# KiCad board KlusterLab r2.0.kicad_pcb (continued)
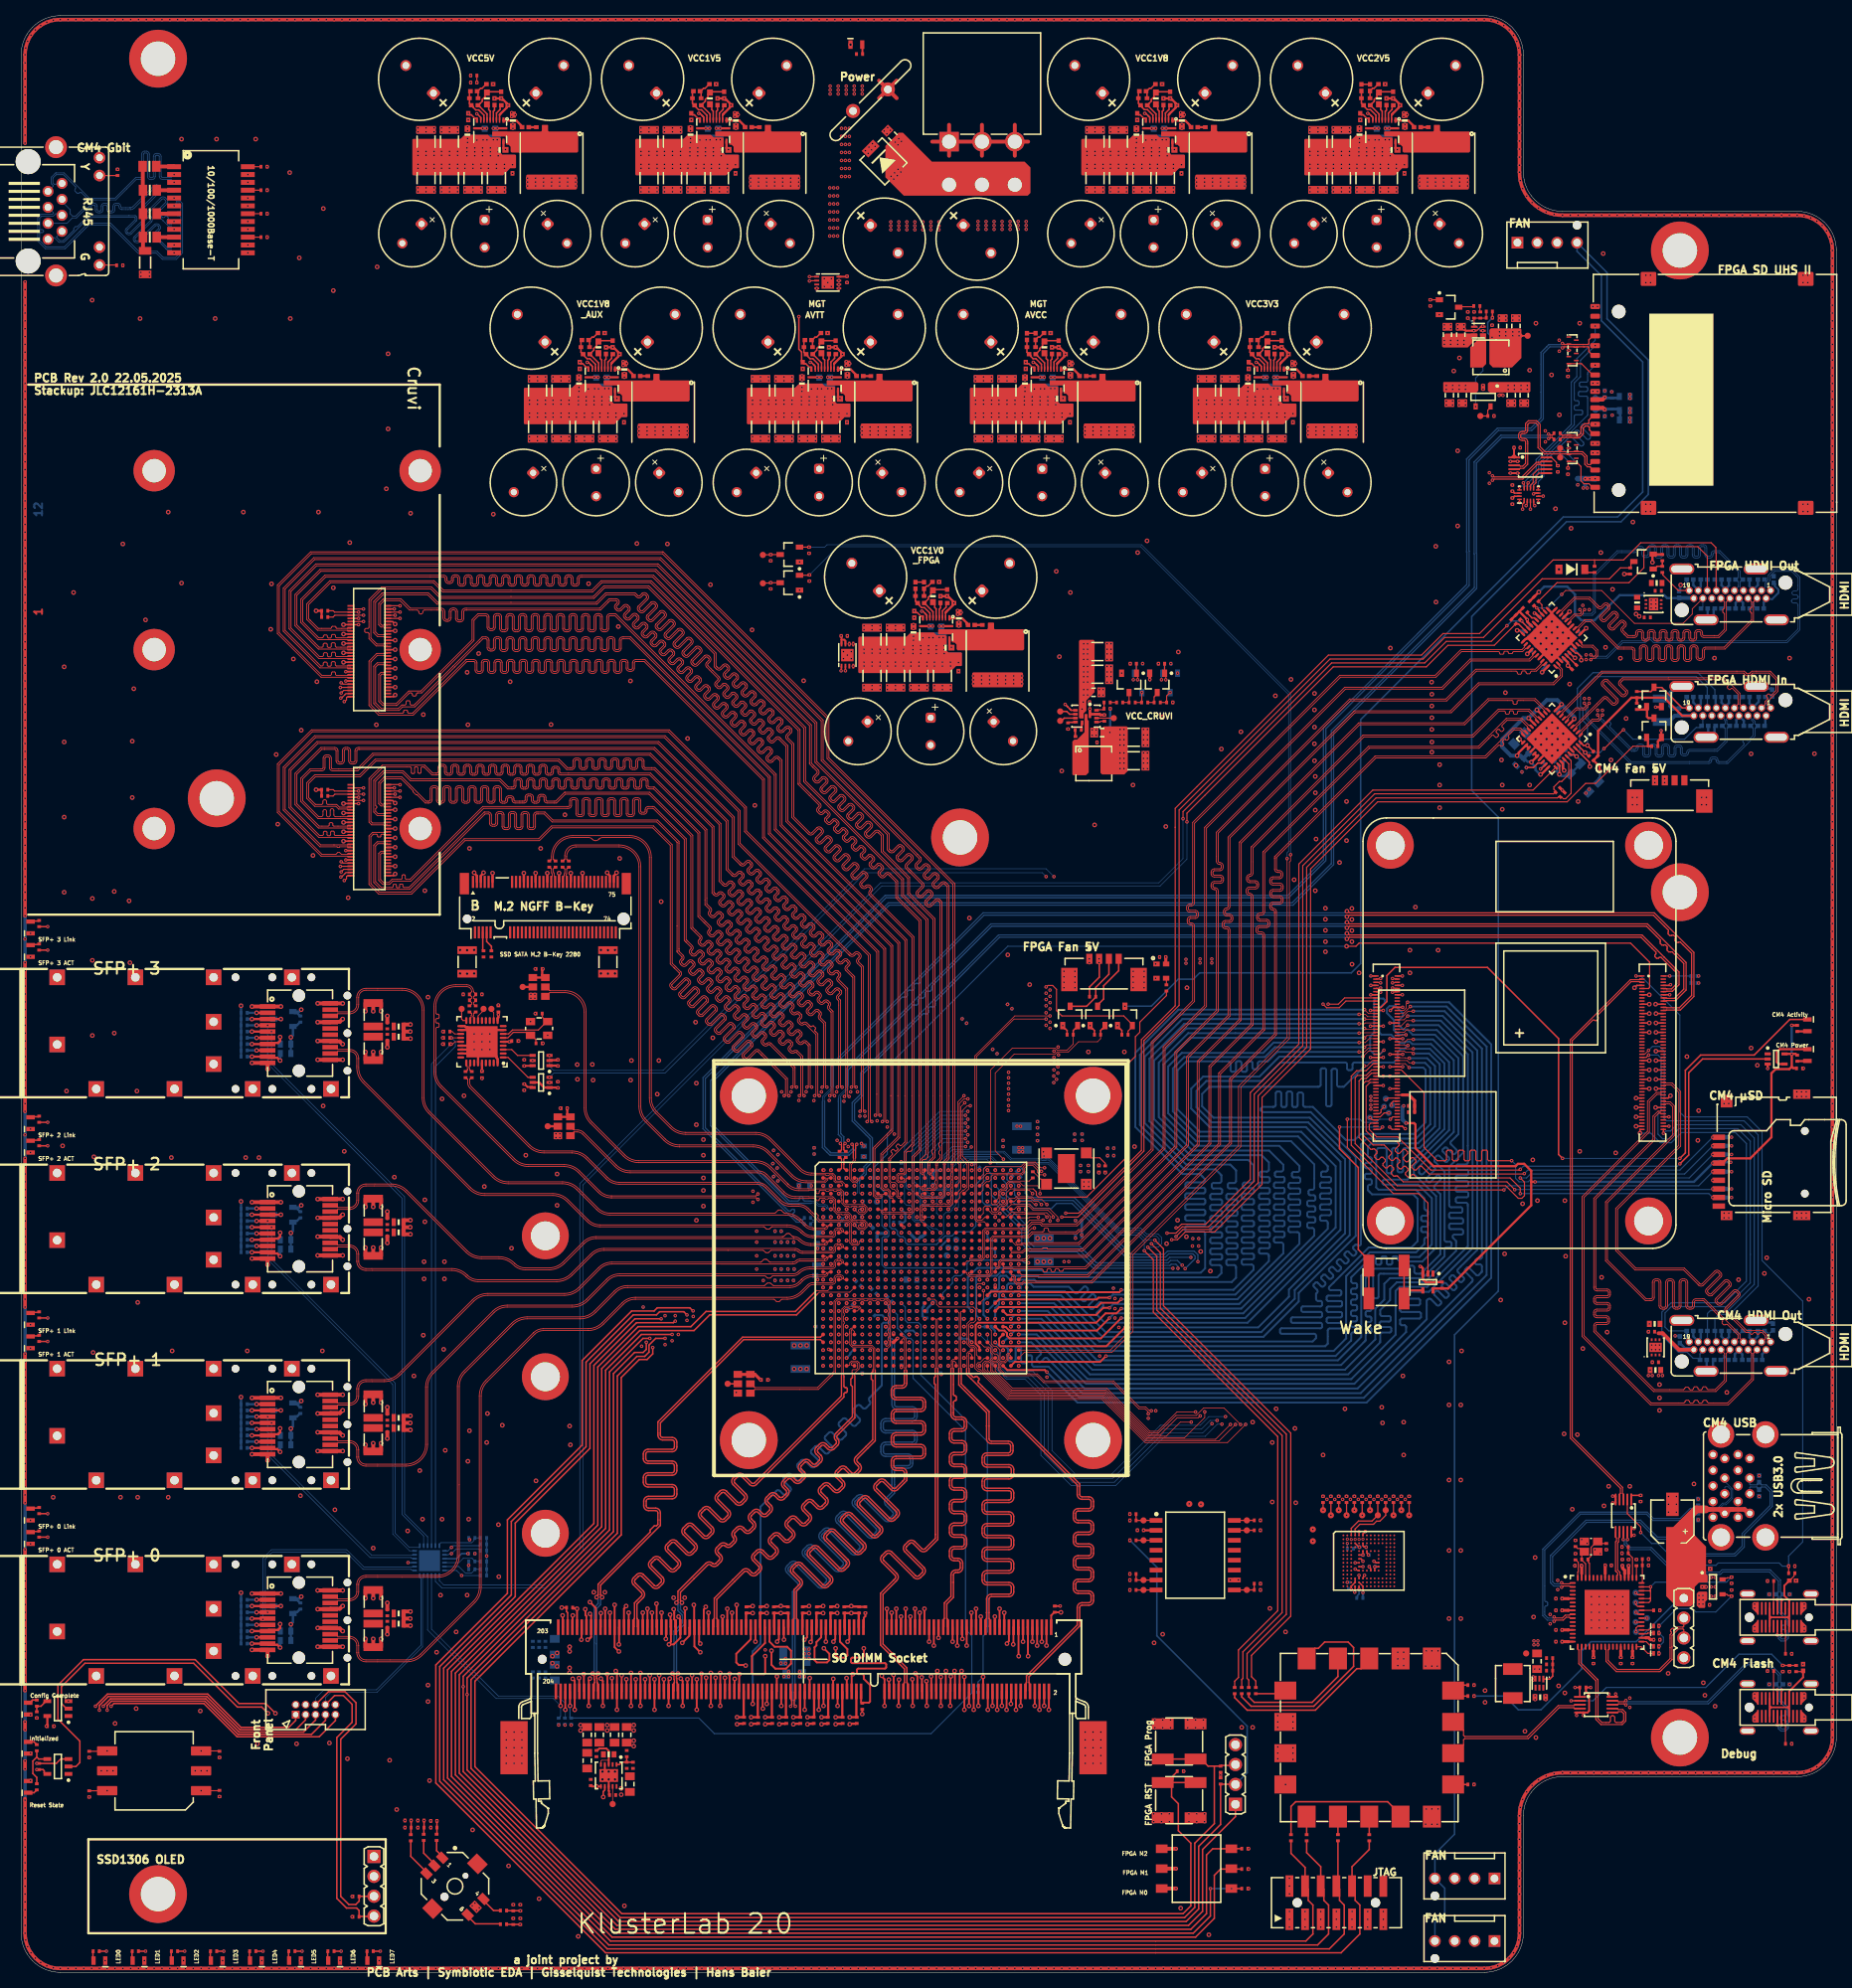
[diagram p0: board, top side]
## Footprints (pads in the part's own frame, mm; a bottom-side part is the same pattern mirrored in y, then rotated) (continued)
CAP_0402
  rect 0.5x0.6 smd: 1(0,-0.55) 2(0,0.55)
CAP_0402#2
  rect 0.5x0.6 smd: 1(0,-0.55) 2(0,0.55)
CAP_0402_L
  rect 0.38x0.48 smd: 1(-0.395,0) 2(0.395,0)
CAP_0603
  rect 0.75x0.8 smd: 1(0,-0.75) 2(0,0.75)
CAP_0603#2
  rect 0.75x0.8 smd: 1(0,-0.75) 2(0,0.75)
CAP_0603_L
  rect 0.8x0.63 smd: 1(0,-0.675) 2(0,0.675)
CAP_0805
  rect 1.25x1 smd: 1(0,-1) 2(0,1)
CAP_1206
  rect 1.6x1 smd: 1(0,-1.5) 2(0,1.5)
CAP_1210
  rect 2.5x1 smd: 1(0,-1.5) 2(0,1.5)
Ckmtw - R-RJ45R08P-C000
  round 3.2 hole 3.2 unplated: (-6.35,-2.25) (6.35,-2.25)
  round 1.4 hole 0.9: 1(3.57,0.29) 2(2.55,2.07) 3(1.53,0.29) 4(0.51,2.07) 5(-0.51,0.29) 6(-1.53,2.07) 7(-2.55,0.29) 8(-3.57,2.07)
  round 1.5 hole 0.9: 9(6.86,6.87) 10(4.57,6.87) 11(-4.57,6.87) 12(-6.86,6.87)
  round 2.8 hole 1.8: SHD(-8.2,1.31) SHD(8.2,1.31)
COILCRAFT_XAL7070
  rrect 1.92x6.5 smd: 1(-2.41,0) 2(2.41,0)
CUI DS04-254-SMT Series, 3 Pole
  rect 1.1x1.5 smd: 13(-2.54,-4.45) 14(-2.54,4.45) 23(0,-4.45) 24(0,4.45) 33(2.54,-4.45) 34(2.54,4.45)
DO221-AA
  rect 1.2x2.07 smd: 1(-2.32,0) 2(2.32,0)
ECS-TXO-20CSMV4_2X1.6X0.8
  rect 0.63x0.825 smd: 1(-0.91,-0.613) 2(0.91,-0.613) 3(0.91,0.613) 4(-0.91,0.613)
ECX-2236B
  rect 1.2x1 smd: 1(-0.85,-0.65) 2(0.85,-0.65) 3(0.85,0.65) 4(-0.85,0.65)
Elecbee EB-500-6007
  round 1.8 hole 1.8 unplated: (-6.152,-2) (7.098,1.5)
  round 0.95 hole 0.6: 1(5.198,0.5) 2(4.62,-0.5) 3(4.043,0.5) 4(3.465,-0.5) 5(2.888,0.5) 6(2.31,-0.5) 7(1.733,0.5) 8(1.155,-0.5) 9(0.578,0.5) 10(0,-0.5) 11(-0.578,0.5) 12(-1.155,-0.5) 13(-1.733,0.5) 14(-2.31,-0.5) 15(-2.888,0.5) 16(-3.465,-0.5) 17(-4.043,0.5) 18(-4.62,-0.5) 19(-5.198,0.5)
  oval 3.2x1.4 hole 2.7x0.9: MT(-6.152,3.25) MT(-3.052,-3.25) MT(3.348,3.25) MT(5.948,-3.25)
Elecbee EB-500-6007#2
  round 1.8 hole 1.8 unplated: (-6.152,-2) (7.098,1.5)
  round 0.95 hole 0.6: 1(5.198,0.5) 2(4.62,-0.5) 3(4.043,0.5) 4(3.465,-0.5) 5(2.888,0.5) 6(2.31,-0.5) 7(1.733,0.5) 8(1.155,-0.5) 9(0.578,0.5) 10(0,-0.5) 11(-0.578,0.5) 12(-1.155,-0.5) 13(-1.733,0.5) 14(-2.31,-0.5) 15(-2.888,0.5) 16(-3.465,-0.5) 17(-4.043,0.5) 18(-4.62,-0.5) 19(-5.198,0.5)
  oval 3.2x1.4 hole 2.7x0.9: MT(-6.152,3.25) MT(-3.052,-3.25) MT(3.348,3.25) MT(5.948,-3.25)
Elecbee EB-500-6007#3
  round 1.8 hole 1.8 unplated: (-6.152,-2) (7.098,1.5)
  round 0.95 hole 0.6: 1(5.198,0.5) 2(4.62,-0.5) 3(4.043,0.5) 4(3.465,-0.5) 5(2.888,0.5) 6(2.31,-0.5) 7(1.733,0.5) 8(1.155,-0.5) 9(0.578,0.5) 10(0,-0.5) 11(-0.578,0.5) 12(-1.155,-0.5) 13(-1.733,0.5) 14(-2.31,-0.5) 15(-2.888,0.5) 16(-3.465,-0.5) 17(-4.043,0.5) 18(-4.62,-0.5) 19(-5.198,0.5)
  oval 3.2x1.4 hole 2.7x0.9: MT(-6.152,3.25) MT(-3.052,-3.25) MT(3.348,3.25) MT(5.948,-3.25)
FXL0420-1R0-M
  rect 1.5x2.5 smd: 1(-1.85,0) 2(1.85,0)
FXL0420-1R0-M#2
  rect 1.5x2.5 smd: 1(-1.85,0) 2(1.85,0)
GCT_USB4200-03-A
  round 1.2 hole 1.2 unplated: (0,3.8)
  round 1 hole 1 unplated: (0,-3.8)
  rrect 1.625x0.25 smd: A1(1.138,2.725) A2(1.138,2.225) A3(1.138,1.725) A4(1.138,1.225) A5(1.138,0.725) A6(1.138,0.225) A7(1.138,-0.275) A8(1.138,-0.775) A9(1.138,-1.275) A10(1.138,-1.775) A11(1.138,-2.275) A12(1.138,-2.775) B1(-1.138,-2.775) B2(-1.138,-2.275) B3(-1.138,-1.775) B4(-1.138,-1.275) B5(-1.138,-0.775) B6(-1.138,-0.275) B7(-1.138,0.225) B8(-1.138,0.725) B9(-1.138,1.225) B10(-1.138,1.725) B11(-1.138,2.225) B12(-1.138,2.725)
  oval 1x2.05 hole 0.6x1.65: SH1(3,-4.05) SH2(3,4.05) SH3(-3,4.05) SH4(-3,-4.05)
GCT_USB4200-03-A#2
  round 1.2 hole 1.2 unplated: (0,3.8)
  round 1 hole 1 unplated: (0,-3.8)
  rrect 1.625x0.25 smd: A1(1.138,2.725) A2(1.138,2.225) A3(1.138,1.725) A4(1.138,1.225) A5(1.138,0.725) A6(1.138,0.225) A7(1.138,-0.275) A8(1.138,-0.775) A9(1.138,-1.275) A10(1.138,-1.775) A11(1.138,-2.275) A12(1.138,-2.775) B1(-1.138,-2.775) B2(-1.138,-2.275) B3(-1.138,-1.775) B4(-1.138,-1.275) B5(-1.138,-0.775) B6(-1.138,-0.275) B7(-1.138,0.225) B8(-1.138,0.725) B9(-1.138,1.225) B10(-1.138,1.725) B11(-1.138,2.225) B12(-1.138,2.725)
  oval 1x2.05 hole 0.6x1.65: SH1(3,-4.05) SH2(3,4.05) SH3(-3,4.05) SH4(-3,-4.05)
Hirose DF40HC(3.0)-100DS-0.4V_1-100
  rect 0.2x0.7 smd: 1(-9.8,-1.35) 2(-9.8,1.38) 3(-9.4,-1.35) 4(-9.4,1.38) 5(-9,-1.35) 6(-9,1.38) 7(-8.6,-1.35) 8(-8.6,1.38) 9(-8.2,-1.35) 10(-8.2,1.38) 11(-7.8,-1.35) 12(-7.8,1.38) 13(-7.4,-1.35) 14(-7.4,1.38) 15(-7,-1.35) 16(-7,1.38) 17(-6.6,-1.35) 18(-6.6,1.38) 19(-6.2,-1.35) 20(-6.2,1.38) 21(-5.8,-1.35) 22(-5.8,1.38) 23(-5.4,-1.35) 24(-5.4,1.38) 25(-5,-1.35) 26(-5,1.38) 27(-4.6,-1.35) 28(-4.6,1.38) 29(-4.2,-1.35) 30(-4.2,1.38) 31(-3.8,-1.35) 32(-3.8,1.38) 33(-3.4,-1.35) 34(-3.4,1.38) 35(-3,-1.35) 36(-3,1.38) 37(-2.6,-1.35) 38(-2.6,1.38) 39(-2.2,-1.35) 40(-2.2,1.38) 41(-1.8,-1.35) 42(-1.8,1.38) 43(-1.4,-1.35) 44(-1.4,1.38) 45(-1,-1.35) 46(-1,1.38) 47(-0.6,-1.35) 48(-0.6,1.38) 49(-0.2,-1.35) 50(-0.2,1.38) 51(0.2,-1.35) 52(0.2,1.38) 53(0.6,-1.35) 54(0.6,1.38) 55(1,-1.35) 56(1,1.38) 57(1.4,-1.35) 58(1.4,1.38) 59(1.8,-1.35) 60(1.8,1.38) 61(2.2,-1.35) 62(2.2,1.38) 63(2.6,-1.35) 64(2.6,1.38) 65(3,-1.35) 66(3,1.38) 67(3.4,-1.35) 68(3.4,1.38) 69(3.8,-1.35) 70(3.8,1.38) 71(4.2,-1.35) 72(4.2,1.38) 73(4.6,-1.35) 74(4.6,1.38) 75(5,-1.35) 76(5,1.38) 77(5.4,-1.35) 78(5.4,1.38) 79(5.8,-1.35) 80(5.8,1.38) 81(6.2,-1.35) 82(6.2,1.38) 83(6.6,-1.35) 84(6.6,1.38) 85(7,-1.35) 86(7,1.38) 87(7.4,-1.35) 88(7.4,1.38) 89(7.8,-1.35) 90(7.8,1.38) 91(8.2,-1.35) 92(8.2,1.38) 93(8.6,-1.35) 94(8.6,1.38) 95(9,-1.35) 96(9,1.38) 97(9.4,-1.35) 98(9.4,1.38) 99(9.8,-1.35) 100(9.8,1.38)
Hirose DF40HC(3.0)-100DS-0.4V_101-200
  rect 0.2x0.7 smd: 101(-9.8,-1.35) 102(-9.8,1.38) 103(-9.4,-1.35) 104(-9.4,1.38) 105(-9,-1.35) 106(-9,1.38) 107(-8.6,-1.35) 108(-8.6,1.38) 109(-8.2,-1.35) 110(-8.2,1.38) 111(-7.8,-1.35) 112(-7.8,1.38) 113(-7.4,-1.35) 114(-7.4,1.38) 115(-7,-1.35) 116(-7,1.38) 117(-6.6,-1.35) 118(-6.6,1.38) 119(-6.2,-1.35) 120(-6.2,1.38) 121(-5.8,-1.35) 122(-5.8,1.38) 123(-5.4,-1.35) 124(-5.4,1.38) 125(-5,-1.35) 126(-5,1.38) 127(-4.6,-1.35) 128(-4.6,1.38) 129(-4.2,-1.35) 130(-4.2,1.38) 131(-3.8,-1.35) 132(-3.8,1.38) 133(-3.4,-1.35) 134(-3.4,1.38) 135(-3,-1.35) 136(-3,1.38) 137(-2.6,-1.35) 138(-2.6,1.38) 139(-2.2,-1.35) 140(-2.2,1.38) 141(-1.8,-1.35) 142(-1.8,1.38) 143(-1.4,-1.35) 144(-1.4,1.38) 145(-1,-1.35) 146(-1,1.38) 147(-0.6,-1.35) 148(-0.6,1.38) 149(-0.2,-1.35) 150(-0.2,1.38) 151(0.2,-1.35) 152(0.2,1.38) 153(0.6,-1.35) 154(0.6,1.38) 155(1,-1.35) 156(1,1.38) 157(1.4,-1.35) 158(1.4,1.38) 159(1.8,-1.35) 160(1.8,1.38) 161(2.2,-1.35) 162(2.2,1.38) 163(2.6,-1.35) 164(2.6,1.38) 165(3,-1.35) 166(3,1.38) 167(3.4,-1.35) 168(3.4,1.38) 169(3.8,-1.35) 170(3.8,1.38) 171(4.2,-1.35) 172(4.2,1.38) 173(4.6,-1.35) 174(4.6,1.38) 175(5,-1.35) 176(5,1.38) 177(5.4,-1.35) 178(5.4,1.38) 179(5.8,-1.35) 180(5.8,1.38) 181(6.2,-1.35) 182(6.2,1.38) 183(6.6,-1.35) 184(6.6,1.38) 185(7,-1.35) 186(7,1.38) 187(7.4,-1.35) 188(7.4,1.38) 189(7.8,-1.35) 190(7.8,1.38) 191(8.2,-1.35) 192(8.2,1.38) 193(8.6,-1.35) 194(8.6,1.38) 195(9,-1.35) 196(9,1.38) 197(9.4,-1.35) 198(9.4,1.38) 199(9.8,-1.35) 200(9.8,1.38)
JTAG-SMT3-NC
  rect 2.8x2.3 smd: 1(-10.1,8)
  rrect 2.8x2.3 smd: 2(-10.1,4) 3(-10.1,0) 4(-10.1,-4) 5(-10.1,-8) 10(10.1,-8) 11(10.1,-4) 12(10.1,0) 13(10.1,4) 14(10.1,8)
  rrect 2.3x2.8 smd: 6(-6,-10.725) 7(-2,-10.725) 8(2,-10.725) 9(6,-10.725) 15(6,10.725) 16(2,10.725) 17(-2,10.725) 18(-6,10.725)
L_0603
  rect 1x0.55 smd: 1(0,-0.625) 2(0,0.625)
LED-0603 Sideview
  rect 0.55x1.1 smd: 1(-0.75,0) 2(0.75,0)
LED-0603 Sideview#2
  rect 0.55x1.1 smd: 1(-0.75,0) 2(0.75,0)
LL3301BF065QJ
  rect 2.8x1.4 smd: 1(-2.1,2.25) 2(-2.1,-2.25) 3(2.1,2.25) 4(2.1,-2.25)
Molex 53398-0476
  rect 2.1x3 smd: 0(-4.425,0.75) 0(4.425,0.75)
  rect 0.8x1.3 smd: 1(1.875,-1.9) 2(0.625,-1.9) 3(-0.625,-1.9) 4(-1.875,-1.9)
Molex 87427-0602
  rect 2.5x2.5 hole 1.8: 1(3.05,-4.2)
  round 2.5 hole 1.8: 2(3.05,0) 3(3.05,4.2) 4(8.55,-4.2) 5(8.55,0) 6(8.55,4.2)
Net Tie-0.3
  rect 0.3x0.2 smd: 1(-0.25,0) 2(0.25,0)
PINREX 744-81-04TG20
  round 1.1 hole 1.1 unplated: (-3.81,-2.23)
  rect 1.5x1.5 hole 1: 1(3.81,0)
  round 1.5 hole 1: 2(1.27,0) 3(-1.27,0) 4(-3.81,0)
QFN40P180X260X55-16N
  rrect 0.7x0.2 smd: 1(-0.75,0.6)
  rrect 0.6x0.2 smd: 2(-0.8,0.2) 3(-0.8,-0.2) 4(-0.8,-0.6) 9(0.8,-0.6) 10(0.8,-0.2) 11(0.8,0.2) 12(0.8,0.6)
  rrect 0.2x0.6 smd: 5(-0.6,-1.2) 6(-0.2,-1.2) 7(0.2,-1.2) 8(0.6,-1.2) 13(0.6,1.2) 14(0.2,1.2) 15(-0.2,1.2) 16(-0.6,1.2)
QFN50P200x300x85-12
  rect 1.4x0.35 smd: 1(-0.45,0.5) 2(-0.45,-0.5) 8(0.45,0)
  rect 0.35x0.6 smd: 3(-0.75,-1.35) 4(-0.25,-1.35) 5(0.25,-1.35) 6(0.75,-1.35) 9(0.75,1.35) 10(0.25,1.35) 11(-0.25,1.35) 12(-0.75,1.35)
  rect 0.6x0.35 smd: 7(0.85,-0.5)
QFN50P201X181X60_HS-7N
  rect 0.35x0.25 smd: 1(-0.975,0.5) 2(-0.975,0) 3(-0.975,-0.5) 4(0.975,-0.5) 5(0.975,0) 6(0.975,0.5)
  rect 1.2x1.6 smd: 7(0,0)
QFN50P300X300X100-11N
  rrect 0.6x0.25 smd: 1(-1.4,1) 2(-1.4,0.5) 3(-1.4,0) 4(-1.4,-0.5) 5(-1.4,-1) 6(1.4,-1) 7(1.4,-0.5) 8(1.4,0) 9(1.4,0.5) 10(1.4,1)
  rect 1.65x2.4 smd: 11(0,0)
QFN50P400X400X100-25N
  rect 0.6x0.25 smd: 1(-1.912,1.25) 2(-1.912,0.75) 3(-1.913,0.25) 4(-1.913,-0.25) 5(-1.913,-0.75) 6(-1.913,-1.25) 13(1.913,-1.25) 14(1.913,-0.75) 15(1.913,-0.25) 16(1.913,0.25) 17(1.913,0.75) 18(1.913,1.25)
  rect 0.25x0.6 smd: 7(-1.25,-1.913) 8(-0.75,-1.913) 9(-0.25,-1.913) 10(0.25,-1.913) 11(0.75,-1.913) 12(1.25,-1.913) 19(1.25,1.913) 20(0.75,1.913) 21(0.25,1.913) 22(-0.25,1.913) 23(-0.75,1.913) 24(-1.25,1.913)
  rect 2.7x2.7 smd: 25(0,0)
QFN50P600X600X85-37N
  oval 0.9x0.3 smd: 1(-2.71,2) 2(-2.71,1.5) 3(-2.71,1) 4(-2.71,0.5) 5(-2.71,0) 6(-2.71,-0.5) 7(-2.71,-1) 8(-2.71,-1.5) 9(-2.71,-2) 19(2.71,-2) 20(2.71,-1.5) 21(2.71,-1) 22(2.71,-0.5) 23(2.71,0) 24(2.71,0.5) 25(2.71,1) 26(2.71,1.5) 27(2.71,2)
  oval 0.3x0.9 smd: 10(-2,-2.71) 11(-1.5,-2.71) 12(-1,-2.71) 13(-0.5,-2.71) 14(0,-2.71) 15(0.5,-2.71) 16(1,-2.71) 17(1.5,-2.71) 18(2,-2.71) 28(2,2.71) 29(1.5,2.71) 30(1,2.71) 31(0.5,2.71) 32(0,2.71) 33(-0.5,2.71) 34(-1,2.71) 35(-1.5,2.71) 36(-2,2.71)
  rect 4x4 smd: 37(0,0)
QFN50P600X600X100-41N
  oval 0.725x0.3 smd: 1(-2.93,2.25) 2(-2.93,1.75) 3(-2.93,1.25) 4(-2.93,0.75) 5(-2.93,0.25) 6(-2.93,-0.25) 7(-2.93,-0.75) 8(-2.93,-1.25) 9(-2.93,-1.75) 10(-2.93,-2.25) 21(2.93,-2.25) 22(2.93,-1.75) 23(2.93,-1.25) 24(2.93,-0.75) 25(2.93,-0.25) 26(2.93,0.25) 27(2.93,0.75) 28(2.93,1.25) 29(2.93,1.75) 30(2.93,2.25)
  oval 0.3x0.725 smd: 11(-2.25,-2.93) 12(-1.75,-2.93) 13(-1.25,-2.93) 14(-0.75,-2.93) 15(-0.25,-2.93) 16(0.25,-2.93) 17(0.75,-2.93) 18(1.25,-2.93) 19(1.75,-2.93) 20(2.25,-2.93) 31(2.25,2.93) 32(1.75,2.93) 33(1.25,2.93) 34(0.75,2.93) 35(0.25,2.93) 36(-0.25,2.93) 37(-0.75,2.93) 38(-1.25,2.93) 39(-1.75,2.93) 40(-2.25,2.93)
  rect 4.65x4.65 smd: 41(0,0)
QFN50P600X600X100-41N#2
  oval 0.725x0.3 smd: 1(-2.93,2.25) 2(-2.93,1.75) 3(-2.93,1.25) 4(-2.93,0.75) 5(-2.93,0.25) 6(-2.93,-0.25) 7(-2.93,-0.75) 8(-2.93,-1.25) 9(-2.93,-1.75) 10(-2.93,-2.25) 21(2.93,-2.25) 22(2.93,-1.75) 23(2.93,-1.25) 24(2.93,-0.75) 25(2.93,-0.25) 26(2.93,0.25) 27(2.93,0.75) 28(2.93,1.25) 29(2.93,1.75) 30(2.93,2.25)
  oval 0.3x0.725 smd: 11(-2.25,-2.93) 12(-1.75,-2.93) 13(-1.25,-2.93) 14(-0.75,-2.93) 15(-0.25,-2.93) 16(0.25,-2.93) 17(0.75,-2.93) 18(1.25,-2.93) 19(1.75,-2.93) 20(2.25,-2.93) 31(2.25,2.93) 32(1.75,2.93) 33(1.25,2.93) 34(0.75,2.93) 35(0.25,2.93) 36(-0.25,2.93) 37(-0.75,2.93) 38(-1.25,2.93) 39(-1.75,2.93) 40(-2.25,2.93)
  rect 4.65x4.65 smd: 41(0,0)
QFN50P900X900X90_HS-65N
  oval 0.8x0.25 smd: 1(-4.4,3.75) 2(-4.4,3.25) 3(-4.4,2.75) 4(-4.4,2.25) 5(-4.4,1.75) 6(-4.4,1.25) 7(-4.4,0.75) 8(-4.4,0.25) 9(-4.4,-0.25) 10(-4.4,-0.75) 11(-4.4,-1.25) 12(-4.4,-1.75) 13(-4.4,-2.25) 14(-4.4,-2.75) 15(-4.4,-3.25) 16(-4.4,-3.75) 33(4.4,-3.75) 34(4.4,-3.25) 35(4.4,-2.75) 36(4.4,-2.25) 37(4.4,-1.75) 38(4.4,-1.25) 39(4.4,-0.75) 40(4.4,-0.25) 41(4.4,0.25) 42(4.4,0.75) 43(4.4,1.25) 44(4.4,1.75) 45(4.4,2.25) 46(4.4,2.75) 47(4.4,3.25) 48(4.4,3.75)
  oval 0.25x0.8 smd: 17(-3.75,-4.4) 18(-3.25,-4.4) 19(-2.75,-4.4) 20(-2.25,-4.4) 21(-1.75,-4.4) 22(-1.25,-4.4) 23(-0.75,-4.4) 24(-0.25,-4.4) 25(0.25,-4.4) 26(0.75,-4.4) 27(1.25,-4.4) 28(1.75,-4.4) 29(2.25,-4.4) 30(2.75,-4.4) 31(3.25,-4.4) 32(3.75,-4.4) 49(3.75,4.4) 50(3.25,4.4) 51(2.75,4.4) 52(2.25,4.4) 53(1.75,4.4) 54(1.25,4.4) 55(0.75,4.4) 56(0.25,4.4) 57(-0.25,4.4) 58(-0.75,4.4) 59(-1.25,4.4) 60(-1.75,4.4) 61(-2.25,4.4) 62(-2.75,4.4) 63(-3.25,4.4) 64(-3.75,4.4)
  rect 5.75x5.75 smd: 65(0,0)
QT24A01
  rect 0.64x1.78 smd: 1(-5.5,-4.71) 2(-4.5,-4.71) 3(-3.5,-4.71) 4(-2.5,-4.71) 5(-1.5,-4.71) 6(-0.5,-4.71) 7(0.5,-4.71) 8(1.5,-4.71) 9(2.5,-4.71) 10(3.5,-4.71) 11(4.5,-4.71) 12(5.5,-4.71) 13(5.5,4.71) 14(4.5,4.71) 15(3.5,4.71) 16(2.5,4.71) 17(1.5,4.71) 18(0.5,4.71) 19(-0.5,4.71) 20(-1.5,4.71) 21(-2.5,4.71) 22(-3.5,4.71) 23(-4.5,4.71) 24(-5.5,4.71)
RES_0402
  rect 0.6x0.55 smd: 1(-0.425,0) 2(0.425,0)
RES_0402_L
  rect 0.38x0.48 smd: 1(-0.395,0) 2(0.395,0)
RES_0603_L
  rect 0.65x0.9 smd: 1(-0.675,0) 2(0.675,0)
RES_0805
  rect 1.1x1.4 smd: 1(-0.875,0) 2(0.875,0)
S3D - Shenzhen SCTF Elec
  rect 1.2x0.95 smd: 1(-1.1,-0.875) 2(1.1,-0.875) 3(1.1,0.875) 4(-1.1,0.875)
SOD123
  rect 0.91x1.22 smd: 1(-1.65,0) 2(1.65,0)
SOD123#2
  rect 0.91x1.22 smd: 1(-1.65,0) 2(1.65,0)
SOD-882
  rect 0.6x0.35 smd: 1(0,0.325) 2(0,-0.325)
SOIC16_Widebody
  rect 1.65x0.6 smd: 1(-5,4.445) 2(-5,3.175) 3(-5,1.905) 4(-5,0.635) 5(-5,-0.635) 6(-5,-1.905) 7(-5,-3.175) 8(-5,-4.445) 9(5,-4.445) 10(5,-3.175) 11(5,-1.905) 12(5,-0.635) 13(5,0.635) 14(5,1.905) 15(5,3.175) 16(5,4.445)
SON50P150X80-6N
  rect 0.85x0.28 smd: 1(-0.525,0.5)
  rect 0.75x0.28 smd: 2(-0.575,0) 3(-0.575,-0.5) 4(0.575,-0.5) 5(0.575,0) 6(0.575,0.5)
SOP50P300X300X110-10N
  rect 1.538x0.252 smd: 1(-2.067,1)
  rrect 1.538x0.252 smd: 2(-2.067,0.5) 3(-2.067,0) 4(-2.067,-0.5) 5(-2.067,-1) 6(2.067,-1) 7(2.067,-0.5) 8(2.067,0) 9(2.067,0.5) 10(2.067,1)
SOT65P210X100-6N
  rect 0.8x0.4 smd: 1(-1.075,0.65) 2(-1.075,0) 3(-1.075,-0.65) 4(1.075,-0.65) 5(1.075,0) 6(1.075,0.65)
SOT65P210X110-5N
  rect 0.8x0.4 smd: 1(-1.075,0.65) 2(-1.075,0) 3(-1.075,-0.65) 4(1.075,-0.65) 5(1.075,0.65)
SOT95P251X112-3N
  rect 0.95x0.65 smd: 1(-1.235,0.95) 2(-1.235,-0.95) 3(1.235,0)
SOT95P251X112-3N#2
  rect 0.95x0.65 smd: 1(-1.235,0.95) 2(-1.235,-0.95) 3(1.235,0)
SOT95P275X110-5N
  rect 1x0.5 smd: 1(-1.35,0.95) 2(-1.35,0) 3(-1.35,-0.95) 4(1.35,-0.95) 5(1.35,0.95)
SOT95P275X110-5N#2
  rect 1x0.5 smd: 1(-1.35,0.95) 2(-1.35,0) 3(-1.35,-0.95) 4(1.35,-0.95) 5(1.35,0.95)
SOT95P285X140-5N
  rect 0.8x0.55 smd: 1(-1.225,0.95) 2(-1.225,0) 3(-1.225,-0.95) 4(1.225,-0.95) 5(1.225,0.95)
SOT95P285X140-5N#2
  rect 0.8x0.55 smd: 1(-1.225,0.95) 2(-1.225,0) 3(-1.225,-0.95) 4(1.225,-0.95) 5(1.225,0.95)
SOT1069-2 (HWSON8)
  rect 0.625x0.25 smd: 1(-1.412,0.75) 2(-1.412,0.25) 3(-1.412,-0.25) 4(-1.412,-0.75) 5(1.413,-0.75) 6(1.413,-0.25) 7(1.413,0.25) 8(1.413,0.75)
  rect 1.6x1.6 smd: 9(0,0)
SS4-30-3.50-L-D-K-TR
  rect 0.23x0.93 smd: 1(5.59,2.335) 2(5.59,-2.335) 3(5.19,2.335) 4(5.19,-2.335) 5(4.79,2.335) 6(4.79,-2.335) 7(4.39,2.335) 8(4.39,-2.335) 9(3.99,2.335) 10(3.99,-2.335) 11(3.59,2.335) 12(3.59,-2.335) 13(3.19,2.335) 14(3.19,-2.335) 15(2.79,2.335) 16(2.79,-2.335) 17(2.39,2.335) 18(2.39,-2.335) 19(1.99,2.335) 20(1.99,-2.335) 21(1.59,2.335) 22(1.59,-2.335) 23(1.19,2.335) 24(1.19,-2.335) 25(0.79,2.335) 26(0.79,-2.335) 27(0.39,2.335) 28(0.39,-2.335) 29(-0.01,2.335) 30(-0.01,-2.335) 31(-0.41,2.335) 32(-0.41,-2.335) 33(-0.81,2.335) 34(-0.81,-2.335) 35(-1.21,2.335) 36(-1.21,-2.335) 37(-1.61,2.335) 38(-1.61,-2.335) 39(-2.01,2.335) 40(-2.01,-2.335) 41(-2.41,2.335) 42(-2.41,-2.335) 43(-2.81,2.335) 44(-2.81,-2.335) 45(-3.21,2.335) 46(-3.21,-2.335) 47(-3.61,2.335) 48(-3.61,-2.335) 49(-4.01,2.335) 50(-4.01,-2.335) 51(-4.41,2.335) 52(-4.41,-2.335) 53(-4.81,2.335) 54(-4.81,-2.335) 55(-5.21,2.335) 56(-5.21,-2.335) 57(-5.61,2.335) 58(-5.61,-2.335) 59(-6.01,2.335) 60(-6.01,-2.335)
Testpoint 0.8mm
  round 0.8 smd: 1(0,0)
TF-115
  round 1 hole 1 unplated: (-4.95,-3.5) (3.05,-3.5)
  rect 0.7x1.6 smd: 1(2.25,7.5) 2(1.15,7.5) 3(0.05,7.5) 4(-1.05,7.5) 5(-2.15,7.5) 6(-3.25,7.5) 7(-4.35,7.5) 8(-5.45,7.5) 9(-6.55,7.5)
  rect 1.2x1.5 smd: 10(-7.75,6.5)
  rect 1.6x1.5 smd: 11(6.85,6.5)
  rect 1.2x2.2 smd: 12(-7.75,-3.1) 13(7.75,-3.1)
TVS_0402
  rect 0.6x0.55 smd: 1(-0.425,0) 2(0.425,0)
UEA1112C-8FS6-4F
  round 1.2 hole 0.7: 1(-3.5,2) 2(-1,2) 3(1,2) 4(3.5,2) 5(4,3.5) 6(2,3.5) 7(0,3.5) 8(-2,3.5) 9(-4,3.5) 10(-3.5,5.2) 11(-1,5.2) 12(1,5.2) 13(3.5,5.2) 14(4,6.7) 15(2,6.7) 16(0,6.7) 17(-2,6.7) 18(-4,6.7)
  round 3.4 hole 2.3: MT(-6.57,5.68) MT(-6.57,0) MT(6.57,5.68) MT(6.57,0)
VQFN-HR21_RWW0021A
  rrect 0.7x0.3 smd: 1(-1.35,1.7) 9(-1.35,-1.7) 11(1.35,-1.7) 19(1.35,1.7)
  rrect 0.7x0.2 smd: 2(-1.35,1.2) 3(-1.35,0.8) 4(-1.35,0.4) 5(-1.35,0) 6(-1.35,-0.4) 7(-1.35,-0.8) 8(-1.35,-1.2) 12(1.35,-1.2) 13(1.35,-0.8) 14(1.35,-0.4) 15(1.35,0) 16(1.35,0.4) 17(1.35,0.8) 18(1.35,1.2)
  rrect 0.3x1.9 smd: 10(-0.3,-1.25) 20(0.3,1.25) 21(-0.3,1.25)
  rrect 0.35x3.15 smd: 11(1.175,-0.275)
WCAP-ASLI_D5H5.5
  rect 3x1.6 smd: 1(2.2,0) 2(-2.2,0)
WCAP-PTG5_D8H13
  rrect 1.3x1.3 hole 0.8: 1(1.75,0)
  round 1.3 hole 0.8: 2(-1.75,0)
WCAP-PTG5_D8H13#2
  rrect 1.3x1.3 hole 0.8: 1(1.75,0)
  round 1.3 hole 0.8: 2(-1.75,0)
WCAP-PTG5_D10H12.5
  rrect 1.4x1.4 hole 0.9: 1(2.5,0)
  round 1.4 hole 0.9: 2(-2.5,0)
WE-TVS-DFN3810-9L
  rrect 0.6x0.2 smd: 1(-0.475,1.7) 2(-0.475,0.8) 3(-0.475,0) 4(-0.475,-0.8) 5(-0.475,-1.7) 6(0.475,-1.3) 7(0.475,-0.4) 8(0.475,0.4) 9(0.475,1.3)
WÜRTH 428521420910
  rrect 1.2x2.6 smd: 1(-2.54,-6) 2(2.54,6) 4(2.54,-6) 8(-2.54,6) C(0,6) C(0,-6)

## Nets
5V_PI_HDMI: C113.1 C115.1 D3.1 J11.18 U5.5 U5.6
5V_TX_HDMI: C175.1 C177.1 D48.1 J23.18 R153.2 R154.2 U20.5 U20.6
+1V1: C44.1 C45.1 C46.1 C47.1 C48.1 C49.1 C50.1 C51.1 C117.2 C119.1 L9.1 R79.2 TP7.1 U7.5 U7.8 U7.13 U7.21 U7.28 U7.31 U7.51 U7.57
